# Altium PCB lora_gw_som_pcb.PcbDoc (part 1 of 3) (continued)
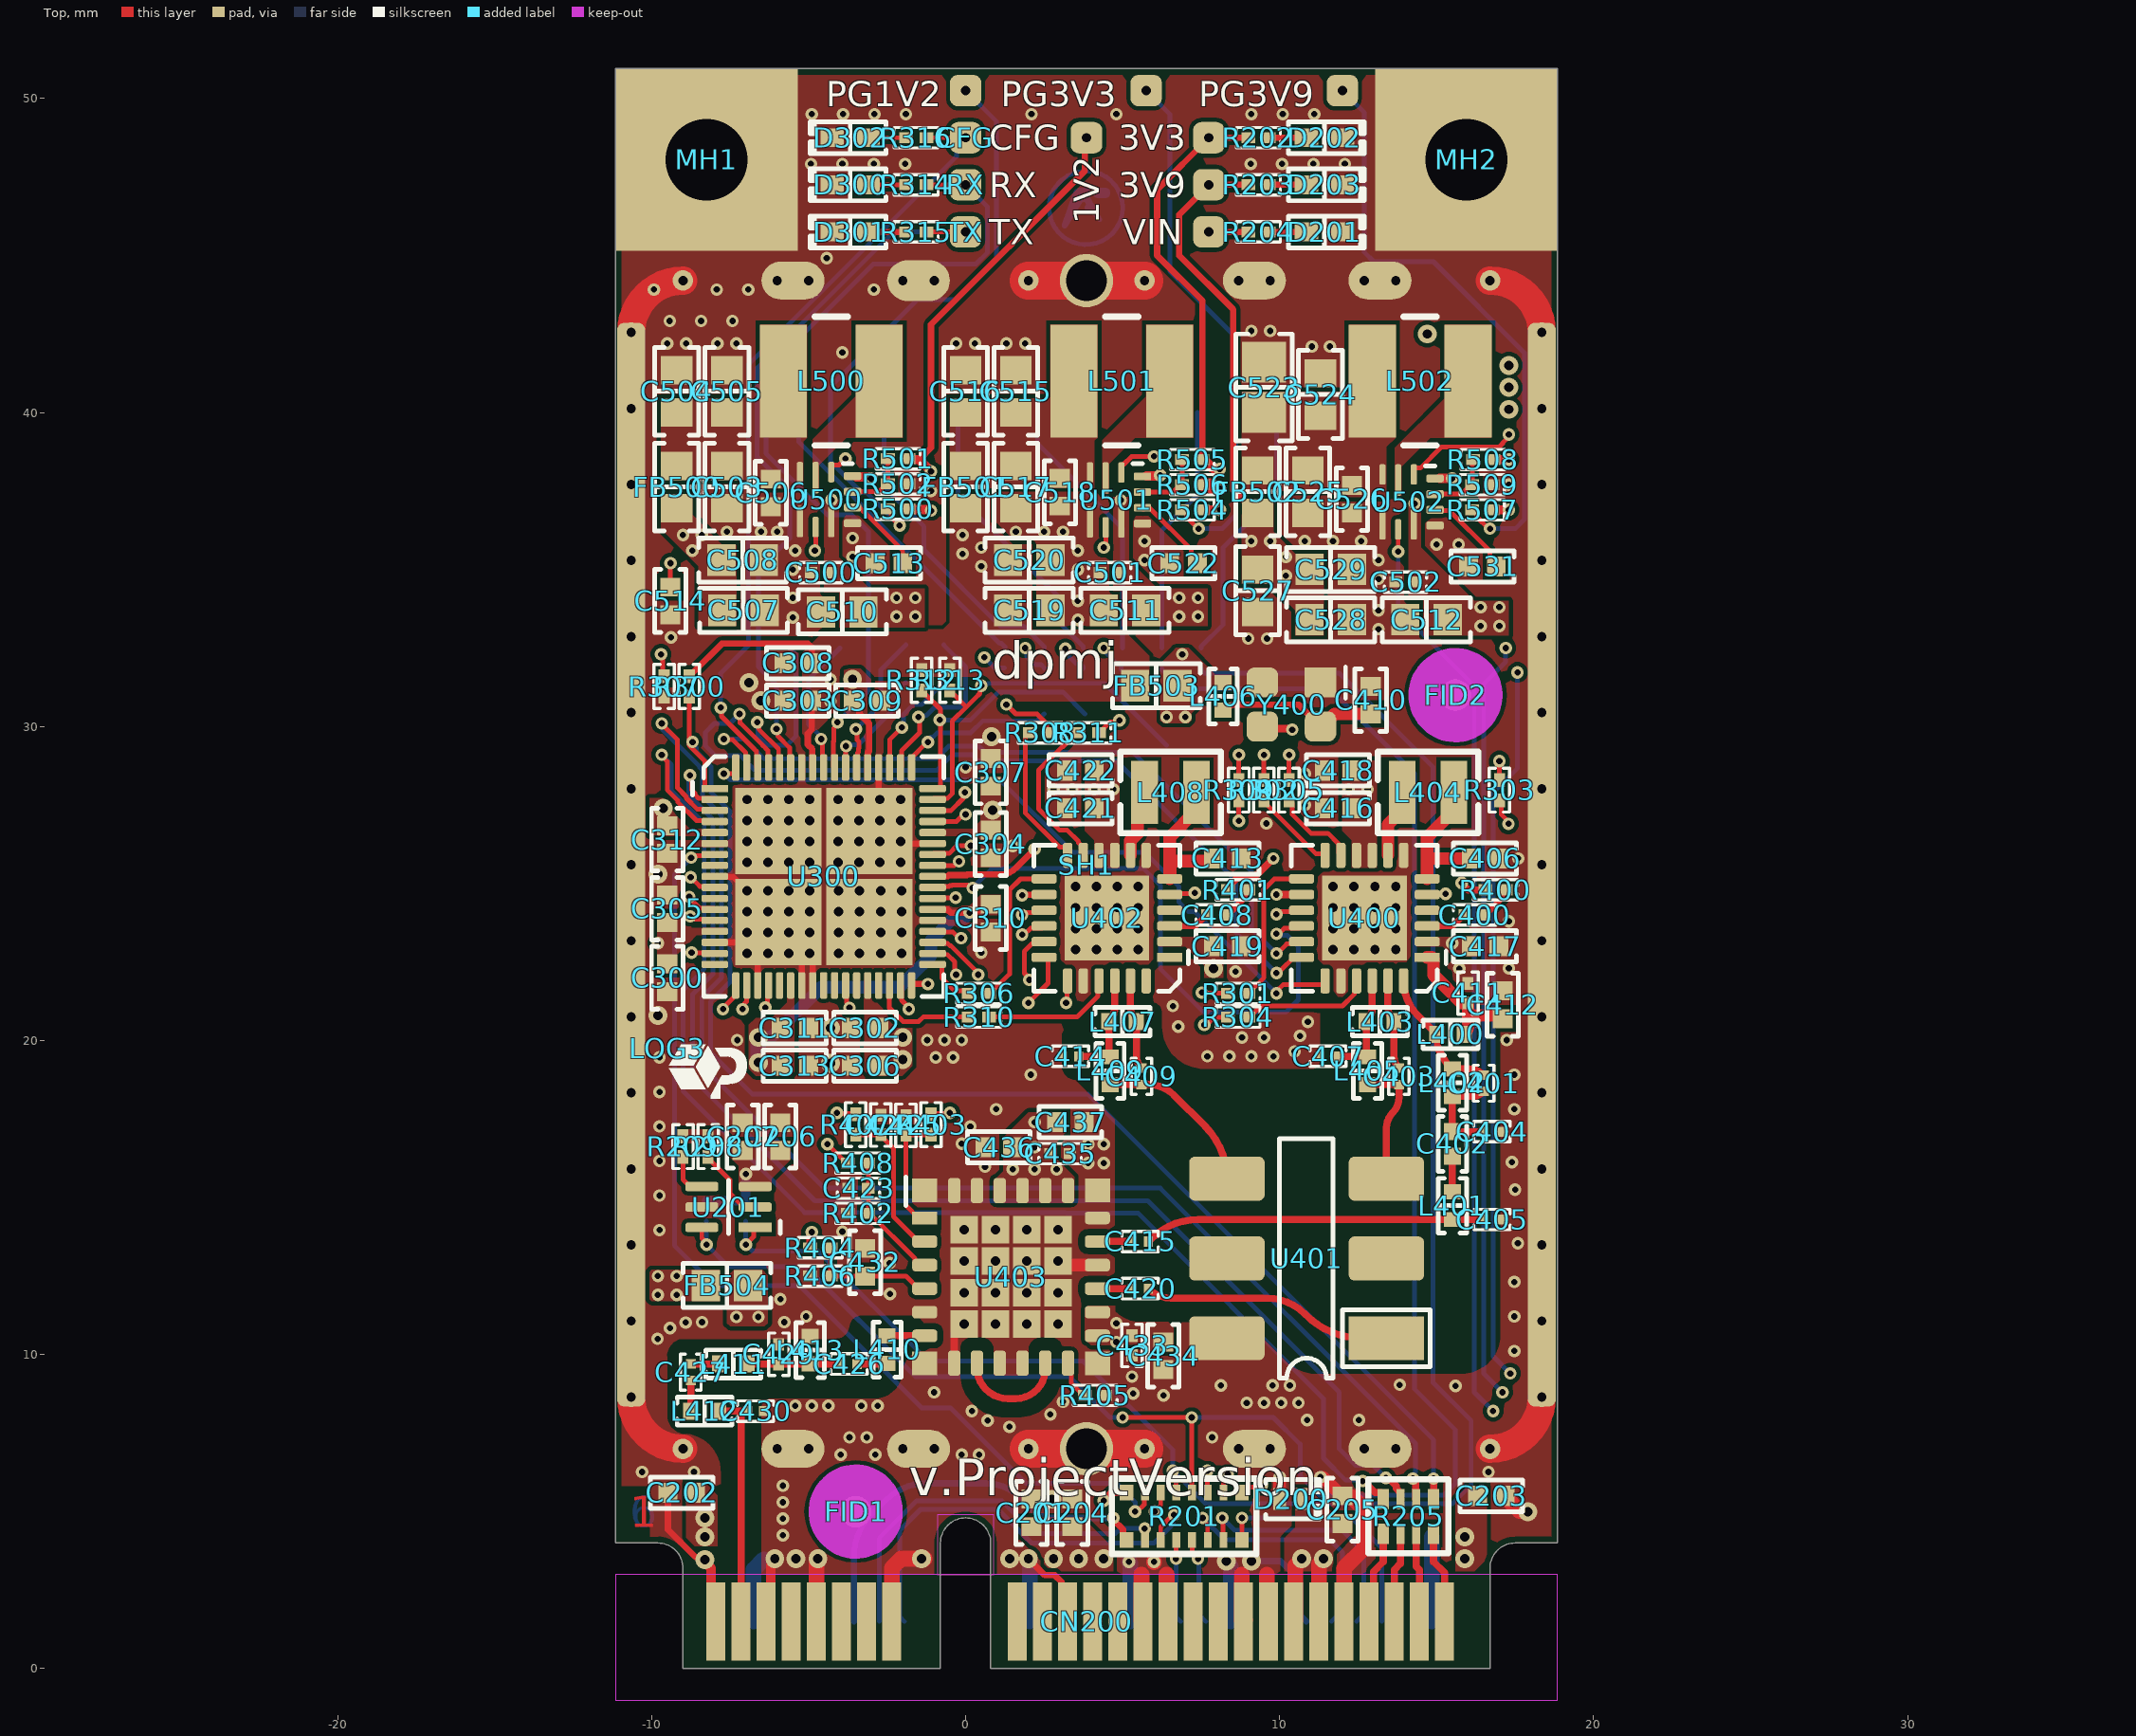
[diagram p0: Top view]
## Part data
1V2 3V3 3V9 CFG PG1V2 PG3V3 PG3V9 RX TX VIN: library part TestPoint-VIA, "Test point, thru-hole"
C201 C207 C305 C306 C307 C308 C313 C418 C422 C437: library part GRT155C71A105KE13D, "CAP CER 1UF 10V X7S 0402", Device Package="0402 (1005 Metric)", manufacturer="Murata Electronics", Operating Temperature="-55°C ~ 125°C", Ratings=AEC-Q200, Supplier Part Number 1=490-GRT155C71A105KE13DCT-ND, Temperature Coefficient=X7S, Tolerance=±10%, Voltage - Rated=10V, Applications=Automotive, Capacitance="1 µF", ComponentLink1Description=Datasheet, ComponentLink1URL=https://search.murata.co.jp/Ceramy/image/img/A01X/G101/ENG/GRT155C71A105KE13-01.pdf, componentlink2description="DigiKey Link", componentlink2url=https://www.digikey.com/en/products/detail/murata-electronics/GRT155C71A105KE13D/10695747, lastupdated="09/02/2024 20:04:05", Lifecycle Status=Active, Minimum Order=1, Mounting Type="Surface Mount, MLCC", Package / Case="0402 (1005 Metric)", packaging=TapeAndReel, Part Number=GRT155C71A105KE13D, Part Status=Active, partid=47127, price=0.04, series=GRT, Size / Dimension="0.039\" L x 0.020\" W (1.00mm x 0.50mm)", Supplier 1=DigiKey, Thickness (Max)="0.024\" (0.60mm)"
C202 C203 C204 C205 C206 C300 C302 C303 C304 C309 C310 C311 C312 C410 C416 C417 C419 C421 C436 C506 C514 C518 C526: library part C0402C104K4RECAUTO, "CAP CER 0402 0.1UF 16V X7R 10%", Device Package="0402 (1005 Metric)", manufacturer=KEMET, Operating Temperature="-55°C ~ 125°C", Ratings=AEC-Q200, Supplier Part Number 1=399-17167-1-ND, Temperature Coefficient=X7R, Tolerance=±10%, Voltage - Rated=16V, Applications="Automotive, ESD Protection", Capacitance="0.1 µF", ComponentLink1Description=Datasheet, ComponentLink1URL=https://api.kemet.com/component-edge/download/datasheet/C0402C104K4RECAUTO.pdf, componentlink2description="DigiKey Link", componentlink2url=https://www.digikey.com/en/products/detail/kemet/C0402C104K4RECAUTO/8563695, lastupdated="09/02/2024 20:04:38", Lifecycle Status=Active, Minimum Order=1, Mounting Type="Surface Mount, MLCC", Package / Case="0402 (1005 Metric)", packaging=TapeAndReel, Part Number=C0402C104K4RECAUTO, Part Status=Active, partid=1731, price=0.01, series="ESD SMD Auto X7R", Size / Dimension="0.039\" L x 0.020\" W (1.00mm x 0.50mm)", Supplier 1=DigiKey, Thickness (Max)="0.022\" (0.55mm)"
C400 C408: library part GJM0335C1E100GB01D, "CAP CER 10PF 25V C0G/NP0 0201", Device Package="0201 (0603 Metric)", manufacturer="Murata Electronics", Operating Temperature="-55°C ~ 125°C", Supplier Part Number 1=490-16382-1-ND, Temperature Coefficient="C0G, NP0", Tolerance=±2%, Voltage - Rated=25V, Applications="RF, Microwave, High Frequency", Capacitance="10 pF", ComponentLink1Description=Datasheet, ComponentLink1URL=https://search.murata.co.jp/Ceramy/image/img/A01X/G101/ENG/GJM0335C1E100GB01-01.pdf, componentlink2description="DigiKey Link", componentlink2url=https://www.digikey.com/en/products/detail/murata-electronics/GJM0335C1E100GB01D/7363126, Features="High Q, Low Loss", lastupdated="04/06/2024 19:01:11", Lifecycle Status=Active, Minimum Order=1, Mounting Type="Surface Mount, MLCC", Package / Case="0201 (0603 Metric)", packaging=TapeAndReel, Part Number=GJM0335C1E100GB01D, Part Status=Active, partid=213, price=0.01, series=GJM, Size / Dimension="0.024\" L x 0.012\" W (0.60mm x 0.30mm)", Supplier 1=DigiKey, Thickness (Max)="0.013\" (0.33mm)"
C401: library part GJM0335C1E6R8BB01D, "CAP CER 6.8PF 25V C0G/NP0 0201", Device Package="0201 (0603 Metric)", manufacturer="Murata Electronics", Operating Temperature="-55°C ~ 125°C", Supplier Part Number 1=490-11183-1-ND, Temperature Coefficient="C0G, NP0", Tolerance=±0.1pF, Voltage - Rated=25V, Applications="RF, Microwave, High Frequency", Capacitance="6.8 pF", ComponentLink1Description=Datasheet, ComponentLink1URL=https://search.murata.co.jp/Ceramy/image/img/A01X/G101/ENG/GJM0335C1E6R8BB01-01.pdf, componentlink2description="DigiKey Link", componentlink2url=https://www.digikey.com/en/products/detail/murata-electronics/GJM0335C1E6R8BB01D/2592738, Features="High Q, Low Loss", lastupdated="03/06/2024 19:34:10", Lifecycle Status=Active, Minimum Order=1, Mounting Type="Surface Mount", Package / Case="0201 (0603 Metric)", packaging=TapeAndReel, Part Number=GJM0335C1E6R8BB01D, Part Status=Active, partid=115, price=0.01, series=GJM, Size / Dimension="0.024\" L x 0.012\" W (0.60mm x 0.30mm)", Supplier 1=DigiKey, Thickness (Max)="0.013\" (0.33mm)"
C402: library part GJM1555C1H390JB01D, "CAP CER 39PF 50V C0G/NP0 0402", Device Package="0402 (1005 Metric)", manufacturer="Murata Electronics", Operating Temperature="-55°C ~ 125°C", Supplier Part Number 1=490-17673-1-ND, Temperature Coefficient="C0G, NP0", Tolerance=±5%, Voltage - Rated=50V, Applications="RF, Microwave, High Frequency", Capacitance="39 pF", ComponentLink1Description=Datasheet, ComponentLink1URL=https://search.murata.co.jp/Ceramy/image/img/A01X/G101/ENG/GJM1555C1H390JB01-01.pdf, componentlink2description="DigiKey Link", componentlink2url=https://www.digikey.com/en/products/detail/murata-electronics/GJM1555C1H390JB01D/8323485, Features="High Q, Low Loss", lastupdated="03/06/2024 19:38:14", Lifecycle Status=Active, Minimum Order=1, Mounting Type="Surface Mount, MLCC", Package / Case="0402 (1005 Metric)", packaging=TapeAndReel, Part Number=GJM1555C1H390JB01D, Part Status=Active, partid=529, price=0.02, series=GJM, Size / Dimension="0.039\" L x 0.020\" W (1.00mm x 0.50mm)", Supplier 1=DigiKey, Thickness (Max)="0.022\" (0.55mm)"
C403 C409: library part GJM0335C1E1R5BB01D, "CAP CER 1.5PF 25V C0G/NP0 0201", Device Package="0201 (0603 Metric)", manufacturer="Murata Electronics", Operating Temperature="-55°C ~ 125°C", Supplier Part Number 1=490-11175-1-ND, Temperature Coefficient="C0G, NP0", Tolerance=±0.1pF, Voltage - Rated=25V, Applications="RF, Microwave, High Frequency", Capacitance="1.5 pF", ComponentLink1Description=Datasheet, ComponentLink1URL=https://search.murata.co.jp/Ceramy/image/img/A01X/G101/ENG/GJM0335C1E1R5BB01-01.pdf, componentlink2description="DigiKey Link", componentlink2url=https://www.digikey.com/en/products/detail/murata-electronics/GJM0335C1E1R5BB01D/2592525, Features="High Q, Low Loss", lastupdated="03/06/2024 19:34:11", Lifecycle Status=Active, Minimum Order=1, Mounting Type="Surface Mount", Package / Case="0201 (0603 Metric)", packaging=TapeAndReel, Part Number=GJM0335C1E1R5BB01D, Part Status=Active, partid=95, price=0.01, series=GJM, Size / Dimension="0.024\" L x 0.012\" W (0.60mm x 0.30mm)", Supplier 1=DigiKey, Thickness (Max)="0.013\" (0.33mm)"
C404 C405: library part GJM0335C1E4R7BB01D, "CAP CER 4.7PF 25V C0G/NP0 0201", Device Package="0201 (0603 Metric)", manufacturer="Murata Electronics", Operating Temperature="-55°C ~ 125°C", Supplier Part Number 1=490-8072-1-ND, Temperature Coefficient="C0G, NP0", Tolerance=±0.1pF, Voltage - Rated=25V, Applications="RF, Microwave, High Frequency", Capacitance="4.7 pF", ComponentLink1Description=Datasheet, ComponentLink1URL=https://search.murata.co.jp/Ceramy/image/img/A01X/G101/ENG/GJM0335C1E4R7BB01-01.pdf, componentlink2description="DigiKey Link", componentlink2url=https://www.digikey.com/en/products/detail/murata-electronics/GJM0335C1E4R7BB01D/2592646, Features="High Q, Low Loss", lastupdated="03/06/2024 19:34:09", Lifecycle Status=Active, Minimum Order=1, Mounting Type="Surface Mount", Package / Case="0201 (0603 Metric)", packaging=TapeAndReel, Part Number=GJM0335C1E4R7BB01D, Part Status=Active, partid=265, price=0.01, series=GJM, Size / Dimension="0.024\" L x 0.012\" W (0.60mm x 0.30mm)", Supplier 1=DigiKey, Thickness (Max)="0.013\" (0.33mm)"
C406 C413: library part GRM155R71A474KE01D, "CAP CER 0.47UF 10V X7R 0402", Device Package="0402 (1005 Metric)", manufacturer="Murata Electronics", Operating Temperature="-55°C ~ 125°C", Supplier Part Number 1=490-14366-1-ND, Temperature Coefficient=X7R, Tolerance=±10%, Voltage - Rated=10V, Applications="General Purpose", Capacitance="0.47 µF", ComponentLink1Description=Datasheet, ComponentLink1URL=https://search.murata.co.jp/Ceramy/image/img/A01X/G101/ENG/GRM155R71A474KE01-01.pdf, componentlink2description="DigiKey Link", componentlink2url=https://www.digikey.com/en/products/detail/murata-electronics/GRM155R71A474KE01D/6605995, lastupdated="09/02/2024 20:04:33", Lifecycle Status=Active, Minimum Order=1, Mounting Type="Surface Mount, MLCC", Package / Case="0402 (1005 Metric)", packaging=TapeAndReel, Part Number=GRM155R71A474KE01D, Part Status=Active, partid=4576, price=0.12, series=GRM, Size / Dimension="0.039\" L x 0.020\" W (1.00mm x 0.50mm)", Supplier 1=DigiKey, Thickness (Max)="0.022\" (0.55mm)"
C407 C414: library part GJM0335C1H3R1BB01D, "CAP CER 3.1PF 50V C0G/NP0 0201", Device Package="0201 (0603 Metric)", manufacturer="Murata Electronics", Operating Temperature="-55°C ~ 125°C", Supplier Part Number 1=490-17172-1-ND, Temperature Coefficient="C0G, NP0", Tolerance=±0.1pF, Voltage - Rated=50V, Applications="RF, Microwave, High Frequency", Capacitance="3.1 pF", ComponentLink1Description=Datasheet, ComponentLink1URL=https://search.murata.co.jp/Ceramy/image/img/A01X/G101/ENG/GJM0335C1H3R1BB01-01.pdf, componentlink2description="DigiKey Link", componentlink2url=https://www.digikey.com/en/products/detail/murata-electronics/GJM0335C1H3R1BB01D/9758991, Features="High Q, Low Loss", lastupdated="03/06/2024 19:34:10", Lifecycle Status=Active, Minimum Order=1, Mounting Type="Surface Mount, MLCC", Package / Case="0201 (0603 Metric)", packaging=TapeAndReel, Part Number=GJM0335C1H3R1BB01D, Part Status=Active, partid=119, price=0.01, series=GJM, Size / Dimension="0.024\" L x 0.012\" W (0.60mm x 0.30mm)", Supplier 1=DigiKey, Thickness (Max)="0.013\" (0.33mm)"
C411: library part C0201C470J8GAC7867, "CAP CER 47PF 10V C0G/NP0 0201", Device Package="0201 (0603 Metric)", manufacturer=KEMET, Operating Temperature="-55°C ~ 125°C", Supplier Part Number 1=399-C0201C470J8GAC7867CT-ND, Temperature Coefficient="C0G, NP0", Tolerance=±5%, Voltage - Rated=10V, Applications="General Purpose", Capacitance="47 pF", ComponentLink1Description=Datasheet, ComponentLink1URL=https://api.kemet.com/component-edge/download/datasheet/C0201C470J8GAC7867.pdf, componentlink2description="DigiKey Link", componentlink2url=https://www.digikey.com/en/products/detail/kemet/C0201C470J8GAC7867/12701342, Features="Low ESL", lastupdated="04/06/2024 19:01:02", Lifecycle Status=Active, Minimum Order=1, Mounting Type="Surface Mount, MLCC", Package / Case="0201 (0603 Metric)", packaging=TapeAndReel, Part Number=C0201C470J8GAC7867, Part Status=Active, partid=29773, price=0.01, series="SMD Comm C0G", Size / Dimension="0.024\" L x 0.012\" W (0.60mm x 0.30mm)", Supplier 1=DigiKey, Thickness (Max)="0.013\" (0.33mm)"
C412: library part C0402C473M4RAC7867, "CAP CER 0.047UF 16V X7R 0402", Device Package="0402 (1005 Metric)", manufacturer=KEMET, Operating Temperature="-55°C ~ 125°C", Supplier Part Number 1=399-14280-1-ND, Temperature Coefficient=X7R, Tolerance=±20%, Voltage - Rated=16V, Applications="Bypass, Decoupling", Capacitance="0.047 µF", ComponentLink1Description=Datasheet, ComponentLink1URL=https://api.kemet.com/component-edge/download/datasheet/C0402C473M4RAC7867.pdf, componentlink2description="DigiKey Link", componentlink2url=https://www.digikey.com/en/products/detail/kemet/C0402C473M4RAC7867/2196769, lastupdated="09/02/2024 20:04:36", Lifecycle Status=Active, Minimum Order=1, Mounting Type="Surface Mount, MLCC", Package / Case="0402 (1005 Metric)", packaging=TapeAndReel, Part Number=C0402C473M4RAC7867, Part Status=Active, partid=2718, price=0.01, series="SMD Comm X7R", Size / Dimension="0.039\" L x 0.020\" W (1.00mm x 0.50mm)", Supplier 1=DigiKey, Thickness (Max)="0.022\" (0.55mm)"
C415 C420: library part QLCD250Q101J1GV001T, "CAP CER 100PF 25V C0G/NP0 0201", Device Package="0201 (0603 Metric)", manufacturer="Johanson Technology Inc.", Operating Temperature="-55°C ~ 125°C", Supplier Part Number 1=712-QLCD250Q101J1GV001TCT-ND, Temperature Coefficient="C0G, NP0", Tolerance=±5%, Voltage - Rated=25V, Applications="RF, Microwave, High Frequency", Capacitance="100 pF", ComponentLink1Description=Datasheet, ComponentLink1URL=https://www.johansontechnology.com/downloads/catalog/johanson-technology-multi-layer-high-q-capacitors.pdf, componentlink2description="DigiKey Link", componentlink2url=https://www.digikey.com/en/products/detail/johanson-technology-inc/QLCD250Q101J1GV001T/1561511, Features="High Q, Low Loss", lastupdated="03/06/2024 19:34:07", Lifecycle Status=Active, Minimum Order=1, Mounting Type="Surface Mount, MLCC", Package / Case="0201 (0603 Metric)", packaging=TapeAndReel, Part Number=QLCD250Q101J1GV001T, Part Status=Active, partid=3724, price=0.02, series=L, Size / Dimension="0.024\" L x 0.012\" W (0.60mm x 0.30mm)", Supplier 1=DigiKey, Thickness (Max)="0.013\" (0.33mm)"
C423 C424 C425: library part GRM0335C1H560GA01D, "CAP CER 56PF 50V C0G/NP0 0201", Device Package="0201 (0603 Metric)", manufacturer="Murata Electronics", Operating Temperature="-55°C ~ 125°C", Supplier Part Number 1=490-13329-1-ND, Temperature Coefficient="C0G, NP0", Tolerance=±2%, Voltage - Rated=50V, Applications="General Purpose", Capacitance="56 pF", ComponentLink1Description=Datasheet, ComponentLink1URL=https://search.murata.co.jp/Ceramy/image/img/A01X/G101/ENG/GRM0335C1H560GA01-01.pdf, componentlink2description="DigiKey Link", componentlink2url=https://www.digikey.com/en/products/detail/murata-electronics/GRM0335C1H560GA01D/4358755, lastupdated="04/06/2024 19:01:09", Lifecycle Status=Active, Minimum Order=1, Mounting Type="Surface Mount", Package / Case="0201 (0603 Metric)", packaging=CutTape, Part Number=GRM0335C1H560GA01D, Part Status=Active, partid=528, price=0.01, series=GRM, Size / Dimension="0.024\" L x 0.012\" W (0.60mm x 0.30mm)", Supplier 1=DigiKey, Thickness (Max)="0.013\" (0.33mm)"
C426 C427: library part GJM0335C1E1R4BB01D, "CAP CER 1.4PF 25V C0G/NP0 0201", Device Package="0201 (0603 Metric)", manufacturer="Murata Electronics", Operating Temperature="-55°C ~ 125°C", Supplier Part Number 1=490-11174-1-ND, Temperature Coefficient="C0G, NP0", Tolerance=±0.1pF, Voltage - Rated=25V, Applications="RF, Microwave, High Frequency", Capacitance="1.4 pF", ComponentLink1Description=Datasheet, ComponentLink1URL=https://search.murata.co.jp/Ceramy/image/img/A01X/G101/ENG/GJM0335C1E1R4BB01-01.pdf, componentlink2description="DigiKey Link", componentlink2url=https://www.digikey.com/en/products/detail/murata-electronics/GJM0335C1E1R4BB01D/2592522, Features="High Q, Low Loss", lastupdated="03/06/2024 19:34:09", Lifecycle Status=Active, Minimum Order=1, Mounting Type="Surface Mount", Package / Case="0201 (0603 Metric)", packaging=TapeAndReel, Part Number=GJM0335C1E1R4BB01D, Part Status=Active, partid=255, price=0.01, series=GJM, Size / Dimension="0.024\" L x 0.012\" W (0.60mm x 0.30mm)", Supplier 1=DigiKey, Thickness (Max)="0.013\" (0.33mm)"
C429: library part GRM0335C1H620GA01D, "CAP CER 62PF 50V C0G/NP0 0201", Device Package="0201 (0603 Metric)", manufacturer="Murata Electronics", Operating Temperature="-55°C ~ 125°C", Supplier Part Number 1=490-11337-1-ND, Temperature Coefficient="C0G, NP0", Tolerance=±2%, Voltage - Rated=50V, Applications="General Purpose", Capacitance="62 pF", ComponentLink1Description=Datasheet, ComponentLink1URL=https://www.murata.com/~/media/webrenewal/support/library/catalog/products/capacitor/mlcc/c02e.ashx?la=en-us, componentlink2description="DigiKey Link", componentlink2url=https://www.digikey.com/en/products/detail/murata-electronics/GRM0335C1H620GA01D/4358769, lastupdated="04/06/2024 19:01:09", Lifecycle Status=Active, Minimum Order=1, Mounting Type="Surface Mount", Package / Case="0201 (0603 Metric)", packaging=CutTape, Part Number=GRM0335C1H620GA01D, Part Status=Active, partid=542, price=0.01, series=GRM, Size / Dimension="0.024\" L x 0.012\" W (0.60mm x 0.30mm)", Supplier 1=DigiKey, Thickness (Max)="0.013\" (0.33mm)"
C430: library part CBR02C229B3GAC, "CAP CER 2.2PF 25V C0G/NP0 0201", Device Package="0201 (0603 Metric)", manufacturer=KEMET, Operating Temperature="-55°C ~ 125°C", Supplier Part Number 1=399-8607-1-ND, Temperature Coefficient="C0G, NP0", Tolerance=±0.1pF, Voltage - Rated=25V, Applications="RF, Microwave, High Frequency", Capacitance="2.2 pF", ComponentLink1Description=Datasheet, ComponentLink1URL=https://api.kemet.com/component-edge/download/datasheet/CBR02C229B3GAC.pdf, componentlink2description="DigiKey Link", componentlink2url=https://www.digikey.com/en/products/detail/kemet/CBR02C229B3GAC/3479233, Features="High Q, Low Loss, Ultra Low ESR", lastupdated="03/06/2024 19:34:10", Lifecycle Status=Active, Minimum Order=1, Mounting Type="Surface Mount, MLCC", Package / Case="0201 (0603 Metric)", packaging=TapeAndReel, Part Number=CBR02C229B3GAC, Part Status=Active, partid=161, price=0.02, series="CBR-SMD RF C0G", Size / Dimension="0.024\" L x 0.012\" W (0.60mm x 0.30mm)", Supplier 1=DigiKey, Thickness (Max)="0.013\" (0.33mm)"
C432: library part CL05A105KO5NNNC, "CAP CER 1UF 16V X5R 0402", Device Package="0402 (1005 Metric)", manufacturer="Samsung Electro-Mechanics", Operating Temperature="-55°C ~ 85°C", Supplier Part Number 1=1276-1067-1-ND, Temperature Coefficient=X5R, Tolerance=±10%, Voltage - Rated=16V, Applications="General Purpose", Capacitance="1 µF", ComponentLink1Description=Datasheet, ComponentLink1URL=http://www.samsungsem.com/kr/support/product-search/mlcc/CL05A105KO5NNNC.jsp, componentlink2description="DigiKey Link", componentlink2url=https://www.digikey.com/en/products/detail/samsung-electro-mechanics/CL05A105KO5NNNC/3886725, lastupdated="09/02/2024 20:04:35", Lifecycle Status=Active, Minimum Order=1, Mounting Type="Surface Mount, MLCC", Package / Case="0402 (1005 Metric)", packaging=TapeAndReel, Part Number=CL05A105KO5NNNC, Part Status=Active, partid=3120, price=0.01, series=CL, Size / Dimension="0.039\" L x 0.020\" W (1.00mm x 0.50mm)", Supplier 1=DigiKey, Thickness (Max)="0.022\" (0.55mm)"
C433 C435: library part GRM0335C1H221JA01D, "CAP CER 220PF 50V C0G/NP0 0201", Device Package="0201 (0603 Metric)", manufacturer="Murata Electronics", Operating Temperature="-55°C ~ 125°C", Supplier Part Number 1=490-11316-1-ND, Temperature Coefficient="C0G, NP0", Tolerance=±5%, Voltage - Rated=50V, Applications="General Purpose", Capacitance="220 pF", ComponentLink1Description=Datasheet, ComponentLink1URL=https://search.murata.co.jp/Ceramy/image/img/A01X/G101/ENG/GRM0335C1H221JA01-01.pdf, componentlink2description="DigiKey Link", componentlink2url=https://www.digikey.com/en/products/detail/murata-electronics/GRM0335C1H221JA01D/4904370, lastupdated="04/06/2024 19:01:09", Lifecycle Status=Active, Minimum Order=1, Mounting Type="Surface Mount", Package / Case="0201 (0603 Metric)", packaging=CutTape, Part Number=GRM0335C1H221JA01D, Part Status=Active, partid=574, price=0.01, series=GRM, Size / Dimension="0.024\" L x 0.012\" W (0.60mm x 0.30mm)", Supplier 1=DigiKey, Thickness (Max)="0.013\" (0.33mm)"
C434: library part GRM1555C1E103JE01J, "CAP CER 10000PF 25V C0G/NP0 0402", Device Package="0402 (1005 Metric)", manufacturer="Murata Electronics", Operating Temperature="-55°C ~ 125°C", Supplier Part Number 1=490-GRM1555C1E103JE01JCT-ND, Temperature Coefficient="C0G, NP0", Tolerance=±5%, Voltage - Rated=25V, Applications="General Purpose", Capacitance="10000 pF", ComponentLink1Description=Datasheet, ComponentLink1URL=https://search.murata.co.jp/Ceramy/image/img/A01X/G101/ENG/GRM1555C1E103JE01-01A.pdf, componentlink2description="DigiKey Link", componentlink2url=https://www.digikey.com/en/products/detail/murata-electronics/GRM1555C1E103JE01J/16033801, lastupdated="09/02/2024 20:04:09", Lifecycle Status=Active, Minimum Order=1, Mounting Type="Surface Mount, MLCC", Package / Case="0402 (1005 Metric)", packaging=TapeAndReel, Part Number=GRM1555C1E103JE01J, Part Status=Active, partid=41084, price=0.02, series=GRM, Size / Dimension="0.039\" L x 0.020\" W (1.00mm x 0.50mm)", Supplier 1=DigiKey, Thickness (Max)="0.026\" (0.65mm)"
C500 C501 C502: library part CC0201KRX7R8BB222, "CAP CER 2200PF 25V X7R 0201", Device Package="0201 (0603 Metric)", manufacturer=Yageo, Operating Temperature="-55°C ~ 125°C", Supplier Part Number 1=13-CC0201KRX7R8BB222CT-ND, Temperature Coefficient=X7R, Tolerance=±10%, Voltage - Rated=25V, Applications="General Purpose", Capacitance="2200 pF", ComponentLink1Description=Datasheet, ComponentLink1URL=https://www.yageo.com/upload/media/product/productsearch/datasheet/mlcc/UPY-GPHC_X7R_6.3V-to-250V_22.pdf, componentlink2description="DigiKey Link", componentlink2url=https://www.digikey.com/en/products/detail/yageo/CC0201KRX7R8BB222/11490225, lastupdated="04/06/2024 19:00:56", Lifecycle Status=Active, Minimum Order=1, Mounting Type="Surface Mount, MLCC", Package / Case="0201 (0603 Metric)", packaging=CutTape, Part Number=CC0201KRX7R8BB222, Part Status=Active, partid=52408, price=0.01, series=CC, Size / Dimension="0.024\" L x 0.012\" W (0.60mm x 0.30mm)", Supplier 1=DigiKey, Thickness (Max)="0.013\" (0.33mm)"
C503 C504 C505 C507 C508 C515 C516 C517 C519 C520 C524 C525 C527 C528 C529: library part GRM188C80J226ME15D, "CAP CER 22UF 6.3V X6S 0603", Device Package="0603 (1608 Metric)", manufacturer="Murata Electronics", Operating Temperature="-55°C ~ 105°C", Supplier Part Number 1=490-10471-1-ND, Temperature Coefficient=X6S, Tolerance=±20%, Voltage - Rated=6.3V, Applications="General Purpose", Capacitance="22 µF", ComponentLink1Description=Datasheet, ComponentLink1URL=https://search.murata.co.jp/Ceramy/image/img/A01X/G101/ENG/GRM188C80J226ME15-01.pdf, componentlink2description="DigiKey Link", componentlink2url=https://www.digikey.com/en/products/detail/murata-electronics/GRM188C80J226ME15D/5027556, lastupdated="09/02/2024 20:10:26", Lifecycle Status=Active, Minimum Order=1, Mounting Type="Surface Mount, MLCC", Package / Case="0603 (1608 Metric)", packaging=TapeAndReel, Part Number=GRM188C80J226ME15D, Part Status=Active, partid=39580, price=0.03, series=GRM, Size / Dimension="0.063\" L x 0.031\" W (1.60mm x 0.80mm)", Supplier 1=DigiKey, Thickness (Max)="0.039\" (1.00mm)"
C510 C511 C512: library part GMC10X7R106K10NT, "CAP0603 X7R 10UF 10% 10V", Device Package="0603 (1608 Metric)", manufacturer="Cal-Chip Electronics, Inc.", Operating Temperature="-55°C ~ 125°C", Supplier Part Number 1=4713-GMC10X7R106K10NTCT-ND, Temperature Coefficient=X7R, Tolerance=±10%, Voltage - Rated=10V, Applications="General Purpose", Capacitance="10 µF", ComponentLink1Description=Datasheet, ComponentLink1URL=https://88ce57.p3cdn1.secureserver.net/wp-content/uploads/2023/01/gmc_series-2.pdf, componentlink2description="DigiKey Link", componentlink2url=https://www.digikey.com/en/products/detail/cal-chip-electronics-inc/GMC10X7R106K10NT/18151126, lastupdated="09/02/2024 20:09:39", Lifecycle Status=Active, Minimum Order=1, Mounting Type="Surface Mount, MLCC", Package / Case="0603 (1608 Metric)", packaging=TapeAndReel, Part Number=GMC10X7R106K10NT, Part Status=Active, partid=49835, price=0.26, series=GMC, Size / Dimension="0.063\" L x 0.031\" W (1.60mm x 0.80mm)", Supplier 1=DigiKey, Thickness (Max)="0.039\" (1.00mm)"
C513 C522 C531: library part CGA2B1X7S1C474K050BC, "CAP CER 0.47UF 16V X7S 0402", Device Package="0402 (1005 Metric)", manufacturer="TDK Corporation", Operating Temperature="-55°C ~ 125°C", Ratings=AEC-Q200, Supplier Part Number 1=445-174214-1-ND, Temperature Coefficient=X7S, Tolerance=±10%, Voltage - Rated=16V, Applications=Automotive, Capacitance="0.47 µF", ComponentLink1Description=Datasheet, ComponentLink1URL=https://product.tdk.com/info/en/catalog/datasheets/mlcc_automotive_general_en.pdf?ref_disty=digikey, componentlink2description="DigiKey Link", componentlink2url=https://www.digikey.com/en/products/detail/tdk-corporation/CGA2B1X7S1C474K050BC/4931442, lastupdated="09/02/2024 20:04:28", Lifecycle Status=Active, Minimum Order=1, Mounting Type="Surface Mount, MLCC", Package / Case="0402 (1005 Metric)", packaging=TapeAndReel, Part Number=CGA2B1X7S1C474K050BC, Part Status=Active, partid=7602, price=0.03, series=CGA, Size / Dimension="0.039\" L x 0.020\" W (1.00mm x 0.50mm)", Supplier 1=DigiKey, Thickness (Max)="0.022\" (0.55mm)"
C523: library part GRM21BR61A476ME15K, "CAP CER 47UF 10V X5R 0805", Device Package="0805 (2012 Metric)", manufacturer="Murata Electronics", Operating Temperature="-55°C ~ 85°C", Supplier Part Number 1=490-GRM21BR61A476ME15KCT-ND, Temperature Coefficient=X5R, Tolerance=±20%, Voltage - Rated=10V, Applications="General Purpose", Capacitance="47 µF", ComponentLink1Description=Datasheet, ComponentLink1URL=https://www.murata.com/-/media/webrenewal/support/library/catalog/products/capacitor/ceramiccapacitor/c02e.ashx?la=en-us&cvid=20210120024548000000, componentlink2description="DigiKey Link", componentlink2url=https://www.digikey.com/en/products/detail/murata-electronics/GRM21BR61A476ME15K/4905528, lastupdated="09/02/2024 20:14:59", Lifecycle Status=Active, Minimum Order=1, Mounting Type="Surface Mount, MLCC", Package / Case="0805 (2012 Metric)", packaging=TapeAndReel, Part Number=GRM21BR61A476ME15K, Part Status=Active, partid=44285, price=0.13, series=GRM, Size / Dimension="0.079\" L x 0.049\" W (2.00mm x 1.25mm)", Supplier 1=DigiKey, Thickness (Max)="0.057\" (1.45mm)"
CN200: library part "MiniPCIe Card", System=Connector
CN201: library part "SoM debug header", "Specific debug port for the LoRa gateway SoM"
D200: "1-LINE 5V 0.15PF 1.1R ESD SLP100", Capacitance @ Frequency="0.14pF @ 1MHz", Current - Peak Pulse (10/1000µs)="2A (8/20µs)", Device Package="0402 (1005 Metric)", manufacturer="Semtech Corporation", Operating Temperature="-40°C ~ 125°C (TJ)", Power - Peak Pulse=40W, Power Line Protection=No, Supplier Device Package=SLP1006P2, Supplier Part Number 1=600-RCLAMP0561PQTCT-ND, Voltage - Breakdown (Min)=6.5V, Voltage - Clamping (Max) @ Ipp=20V, Voltage - Reverse Standoff (Typ)="5.5V (Max)", Applications="HDMI, USB", Bidirectional Channels=1, ComponentLink1Description=Datasheet, ComponentLink1URL=https://semtech.my.salesforce.com/sfc/p/#E0000000JelG/a/2R000000UtDi/1jVA5kaukM6E3zuZeKc6Qe4VpVKspnyk2AdLBSY77Ow, componentlink2description="DigiKey Link", componentlink2url=https://www.digikey.com/en/products/detail/semtech-corporation/RCLAMP0561PQTCT/20370677, lastupdated="03/06/2024 20:22:58", Lifecycle Status=Active, Minimum Order=1, Mounting Type="Surface Mount", Package / Case="0402 (1005 Metric)", packaging=TapeAndReel, Part Number=RCLAMP0561PQTCT, partid=11797, price=0.13, series=RailClamp®, Supplier 1=DigiKey, Type=Zener
D201 D301: library part EAST10052GA0, "LED GREEN CLEAR 2SMD", Current - Test=5mA, Device Package="0402 (1005 Metric)", Lens Color=Colorless, manufacturer="Everlight Electronics Co Ltd", Supplier Device Package=2-SMD, Supplier Part Number 1=1080-1557-1-ND, Voltage - Forward (Vf) (Typ)=2.95V, Color=Green, ComponentLink1Description=Datasheet, ComponentLink1URL=https://everlightamericas.com/index.php?controller=attachment&id_attachment=3256, componentlink2description="DigiKey Link", componentlink2url=https://www.digikey.com/en/products/detail/everlight-electronics-co-ltd/EAST10052GA0/8510366, Configuration=Standard, Height (Max)=0.25mm, lastupdated="03/06/2024 19:58:14", Lens Size="1.00mm x 0.50mm", Lens Style="Rectangle with Flat Top", Lens Transparency=Clear, Lifecycle Status=Active, Minimum Order=1, Mounting Type="Surface Mount", Package / Case="0402 (1005 Metric)", packaging=TapeAndReel, Part Number=EAST10052GA0, Part Status=Active, partid=696, price=0.09, series=-, Size / Dimension="1.00mm L x 0.50mm W", Supplier 1=DigiKey, Viewing Angle=120°, Wavelength - Peak=518nm
D202 D302: library part FHY1105P-TR, "LED YELLOW CLEAR 1005 SMD", Current - Test=5mA, Device Package="0402 (1005 Metric)", Lens Color=Colorless, manufacturer="Stanley Electric Co", Millicandela Rating=32mcd, Supplier Device Package=1005, Supplier Part Number 1=404-1209-1-ND, Voltage - Forward (Vf) (Typ)=1.9V, Color=Yellow, ComponentLink1Description=Datasheet, ComponentLink1URL=http://www.stanley-components.com/php/downloaddatafile.php?rp=0,FHY1105P-TR_e.pdf, componentlink2description="DigiKey Link", componentlink2url=https://www.digikey.com/en/products/detail/stanley-electric-co/FHY1105P-TR/6205303, Configuration=Standard, Height (Max)=0.25mm, lastupdated="03/06/2024 20:00:47", Lens Size="1.00mm x 0.50mm", Lens Style="Rectangle with Flat Top", Lens Transparency=Clear, Lifecycle Status=Active, Minimum Order=1, Mounting Type="Surface Mount", Package / Case="0402 (1005 Metric)", packaging=TapeAndReel, Part Number=FHY1105P-TR, Part Status=Active, partid=166, price=0.05, series=-, Size / Dimension="1.00mm L x 0.50mm W", Supplier 1=DigiKey, Wavelength - Dominant=590nm, Wavelength - Peak=594nm
D203 D300: library part EAST10053RA0, "LED RED CLEAR 2SMD", Current - Test=5mA, Device Package="0402 (1005 Metric)", Lens Color=Colorless, manufacturer="Everlight Electronics Co Ltd", Supplier Device Package=2-SMD, Supplier Part Number 1=1080-1556-1-ND, Voltage - Forward (Vf) (Typ)=2.05V, Color=Red, ComponentLink1Description=Datasheet, ComponentLink1URL=https://everlightamericas.com/index.php?controller=attachment&id_attachment=3575, componentlink2description="DigiKey Link", componentlink2url=https://www.digikey.com/en/products/detail/everlight-electronics-co-ltd/EAST10053RA0/8510365, Configuration=Standard, Height (Max)=0.35mm, lastupdated="03/06/2024 19:59:17", Lens Size="1.00mm x 0.50mm", Lens Style="Rectangle with Flat Top", Lens Transparency=Clear, Lifecycle Status=Active, Minimum Order=1, Mounting Type="Surface Mount", Package / Case="0402 (1005 Metric)", packaging=TapeAndReel, Part Number=EAST10053RA0, Part Status=Active, partid=508, price=0.05, series=-, Size / Dimension="1.00mm L x 0.50mm W", Supplier 1=DigiKey, Viewing Angle=120°, Wavelength - Peak=639nm
FB500 FB501 FB502 FB503 FB504: library part BLE18PS080SN1D, "FERRITE BEAD 8.5 OHM 0603 1LN", Current Rating (Max)=8A, DC Resistance (DCR) (Max)=4mOhm, Device Package="0603 (1608 Metric)", manufacturer="Murata Electronics", Operating Temperature="-55°C ~ 125°C", Supplier Part Number 1=490-BLE18PS080SN1DCT-ND, ComponentLink1Description=Datasheet, ComponentLink1URL=https://www.murata.com/products/productdata/8800169525278/ENFA0080.pdf, componentlink2description="DigiKey Link", componentlink2url=https://www.digikey.com/en/products/detail/murata-electronics/BLE18PS080SN1D/13904803, Filter Type="Power Line", Height (Max)="0.030\" (0.75mm)", Impedance @ Frequency="8.5 Ohms @ 100 MHz", lastupdated="03/06/2024 19:51:46", Lifecycle Status=Active, Minimum Order=1, Mounting Type="Surface Mount", Number of Lines=1, Package / Case="0603 (1608 Metric)", packaging=TapeAndReel, Part Number=BLE18PS080SN1D, Part Status=Active, partid=2651, price=0.08, series="EMIFIL®, BLE18", Size / Dimension="0.063\" L x 0.031\" W (1.60mm x 0.80mm)", Supplier 1=DigiKey
FID1 FID2: "FIducial Mark (concentric 1 mm, 3 mm)"
L400 L406: library part LQW15AWR10J80D, "FIXED IND 100NH 350MA 1OHM SMD", Current Rating (Amps)="350 mA", DC Resistance (DCR)="1Ohm Max", Device Package="0402 (1005 Metric)", Frequency - Self Resonant=1.6GHz, Inductance Frequency - Test="250 MHz", manufacturer="Murata Electronics", Operating Temperature="-40°C ~ 140°C", Q @ Freq="33 @ 250MHz", Supplier Device Package=0402, Supplier Part Number 1=490-LQW15AWR10J80DCT-ND, Tolerance=±5%, ComponentLink1Description=Datasheet, ComponentLink1URL=https://search.murata.co.jp/Ceramy/image/img/P02/JELF243A-0161.pdf, componentlink2description="DigiKey Link", componentlink2url=https://www.digikey.com/en/products/detail/murata-electronics/LQW15AWR10J80D/11690441, Height - Seated (Max)="0.026\" (0.66mm)", Inductance="100 nH", lastupdated="03/06/2024 20:03:18", Lifecycle Status=Active, Material - Core=Non-Magnetic, Minimum Order=1, Mounting Type="Surface Mount", Package / Case="0402 (1005 Metric)", packaging=TapeAndReel, Part Number=LQW15AWR10J80D, Part Status=Active, partid=1526, price=0.09, series=LQW15, Shielding=Unshielded, Size / Dimension="0.040\" L x 0.024\" W (1.02mm x 0.61mm)", Supplier 1=DigiKey, Type=Wirewound
L401: library part LQW15AN10NG80D, "FIXED IND 10NH 1.4A 0.081OHM SMD", Current Rating (Amps)="1.4 A", DC Resistance (DCR)="81mOhm Max", Device Package="0402 (1005 Metric)", Frequency - Self Resonant=6GHz, Inductance Frequency - Test="100 MHz", manufacturer="Murata Electronics", Operating Temperature="-55°C ~ 125°C", Q @ Freq="31 @ 250MHz", Supplier Part Number 1=490-14708-1-ND, Tolerance=±2%, ComponentLink1Description=Datasheet, ComponentLink1URL=https://search.murata.co.jp/Ceramy/image/img/P02/JELF243A-0100.pdf, componentlink2description="DigiKey Link", componentlink2url=https://www.digikey.com/en/products/detail/murata-electronics/LQW15AN10NG80D/4905881, Height - Seated (Max)="0.024\" (0.60mm)", Inductance="10 nH", lastupdated="03/06/2024 20:03:23", Lifecycle Status=Active, Material - Core=Non-Magnetic, Minimum Order=1, Mounting Type="Surface Mount", Package / Case="0402 (1005 Metric)", packaging=TapeAndReel, Part Number=LQW15AN10NG80D, Part Status=Active, partid=162, price=0.07, series=LQW15, Shielding=Unshielded, Size / Dimension="0.039\" L x 0.024\" W (1.00mm x 0.60mm)", Supplier 1=DigiKey, Type="Drum Core, Wirewound"
L402: library part LQW15AN5N6G8ZD, "FIXED IND 5.6NH 1.77A 0.04OHM SM", Current Rating (Amps)="1.77 A", DC Resistance (DCR)="40mOhm Max", Device Package="0402 (1005 Metric)", Frequency - Self Resonant=8GHz, Inductance Frequency - Test="100 MHz", manufacturer="Murata Electronics", Operating Temperature="-55°C ~ 125°C", Q @ Freq="35 @ 250MHz", Ratings=AEC-Q200, Supplier Part Number 1=490-15524-1-ND, Tolerance=±2%, ComponentLink1Description=Datasheet, ComponentLink1URL=https://search.murata.co.jp/Ceramy/image/img/P02/JELF243A-9138.pdf, componentlink2description="DigiKey Link", componentlink2url=https://www.digikey.com/en/products/detail/murata-electronics/LQW15AN5N6G8ZD/6798949, Height - Seated (Max)="0.024\" (0.60mm)", Inductance="5.6 nH", lastupdated="03/06/2024 20:03:23", Lifecycle Status=Active, Material - Core=Non-Magnetic, Minimum Order=1, Mounting Type="Surface Mount", Package / Case="0402 (1005 Metric)", packaging=TapeAndReel, Part Number=LQW15AN5N6G8ZD, Part Status=Active, partid=246, price=0.07, series=LQW15, Shielding=Unshielded, Size / Dimension="0.039\" L x 0.024\" W (1.00mm x 0.60mm)", Supplier 1=DigiKey, Type="Drum Core, Wirewound"
L403 L407: library part LQW15AN68NG0ZD, "FIXED IND 68NH 140MA 1.96OHM SMD", Current Rating (Amps)="140 mA", DC Resistance (DCR)="1.96Ohm Max", Device Package="0402 (1005 Metric)", Frequency - Self Resonant=2.5GHz, Inductance Frequency - Test="100 MHz", manufacturer="Murata Electronics", Operating Temperature="-55°C ~ 125°C", Q @ Freq="20 @ 200MHz", Ratings=AEC-Q200, Supplier Part Number 1=490-17700-1-ND, Tolerance=±2%, ComponentLink1Description=Datasheet, ComponentLink1URL=https://search.murata.co.jp/Ceramy/image/img/P02/JELF243A-9114.pdf, componentlink2description="DigiKey Link", componentlink2url=https://www.digikey.com/en/products/detail/murata-electronics/LQW15AN68NG0ZD/8323512, Height - Seated (Max)="0.024\" (0.60mm)", Inductance="68 nH", lastupdated="03/06/2024 20:03:24", Lifecycle Status=Active, Material - Core=Non-Magnetic, Minimum Order=1, Mounting Type="Surface Mount", Package / Case="0402 (1005 Metric)", packaging=TapeAndReel, Part Number=LQW15AN68NG0ZD, Part Status=Active, partid=118, price=0.06, series=LQW15, Shielding=Unshielded, Size / Dimension="0.039\" L x 0.020\" W (1.00mm x 0.50mm)", Supplier 1=DigiKey, Type="Drum Core, Wirewound"